# Altium PCB ALCT_MEZ_SPARTAN6T.PcbDoc (part 9 of 12) (continued)
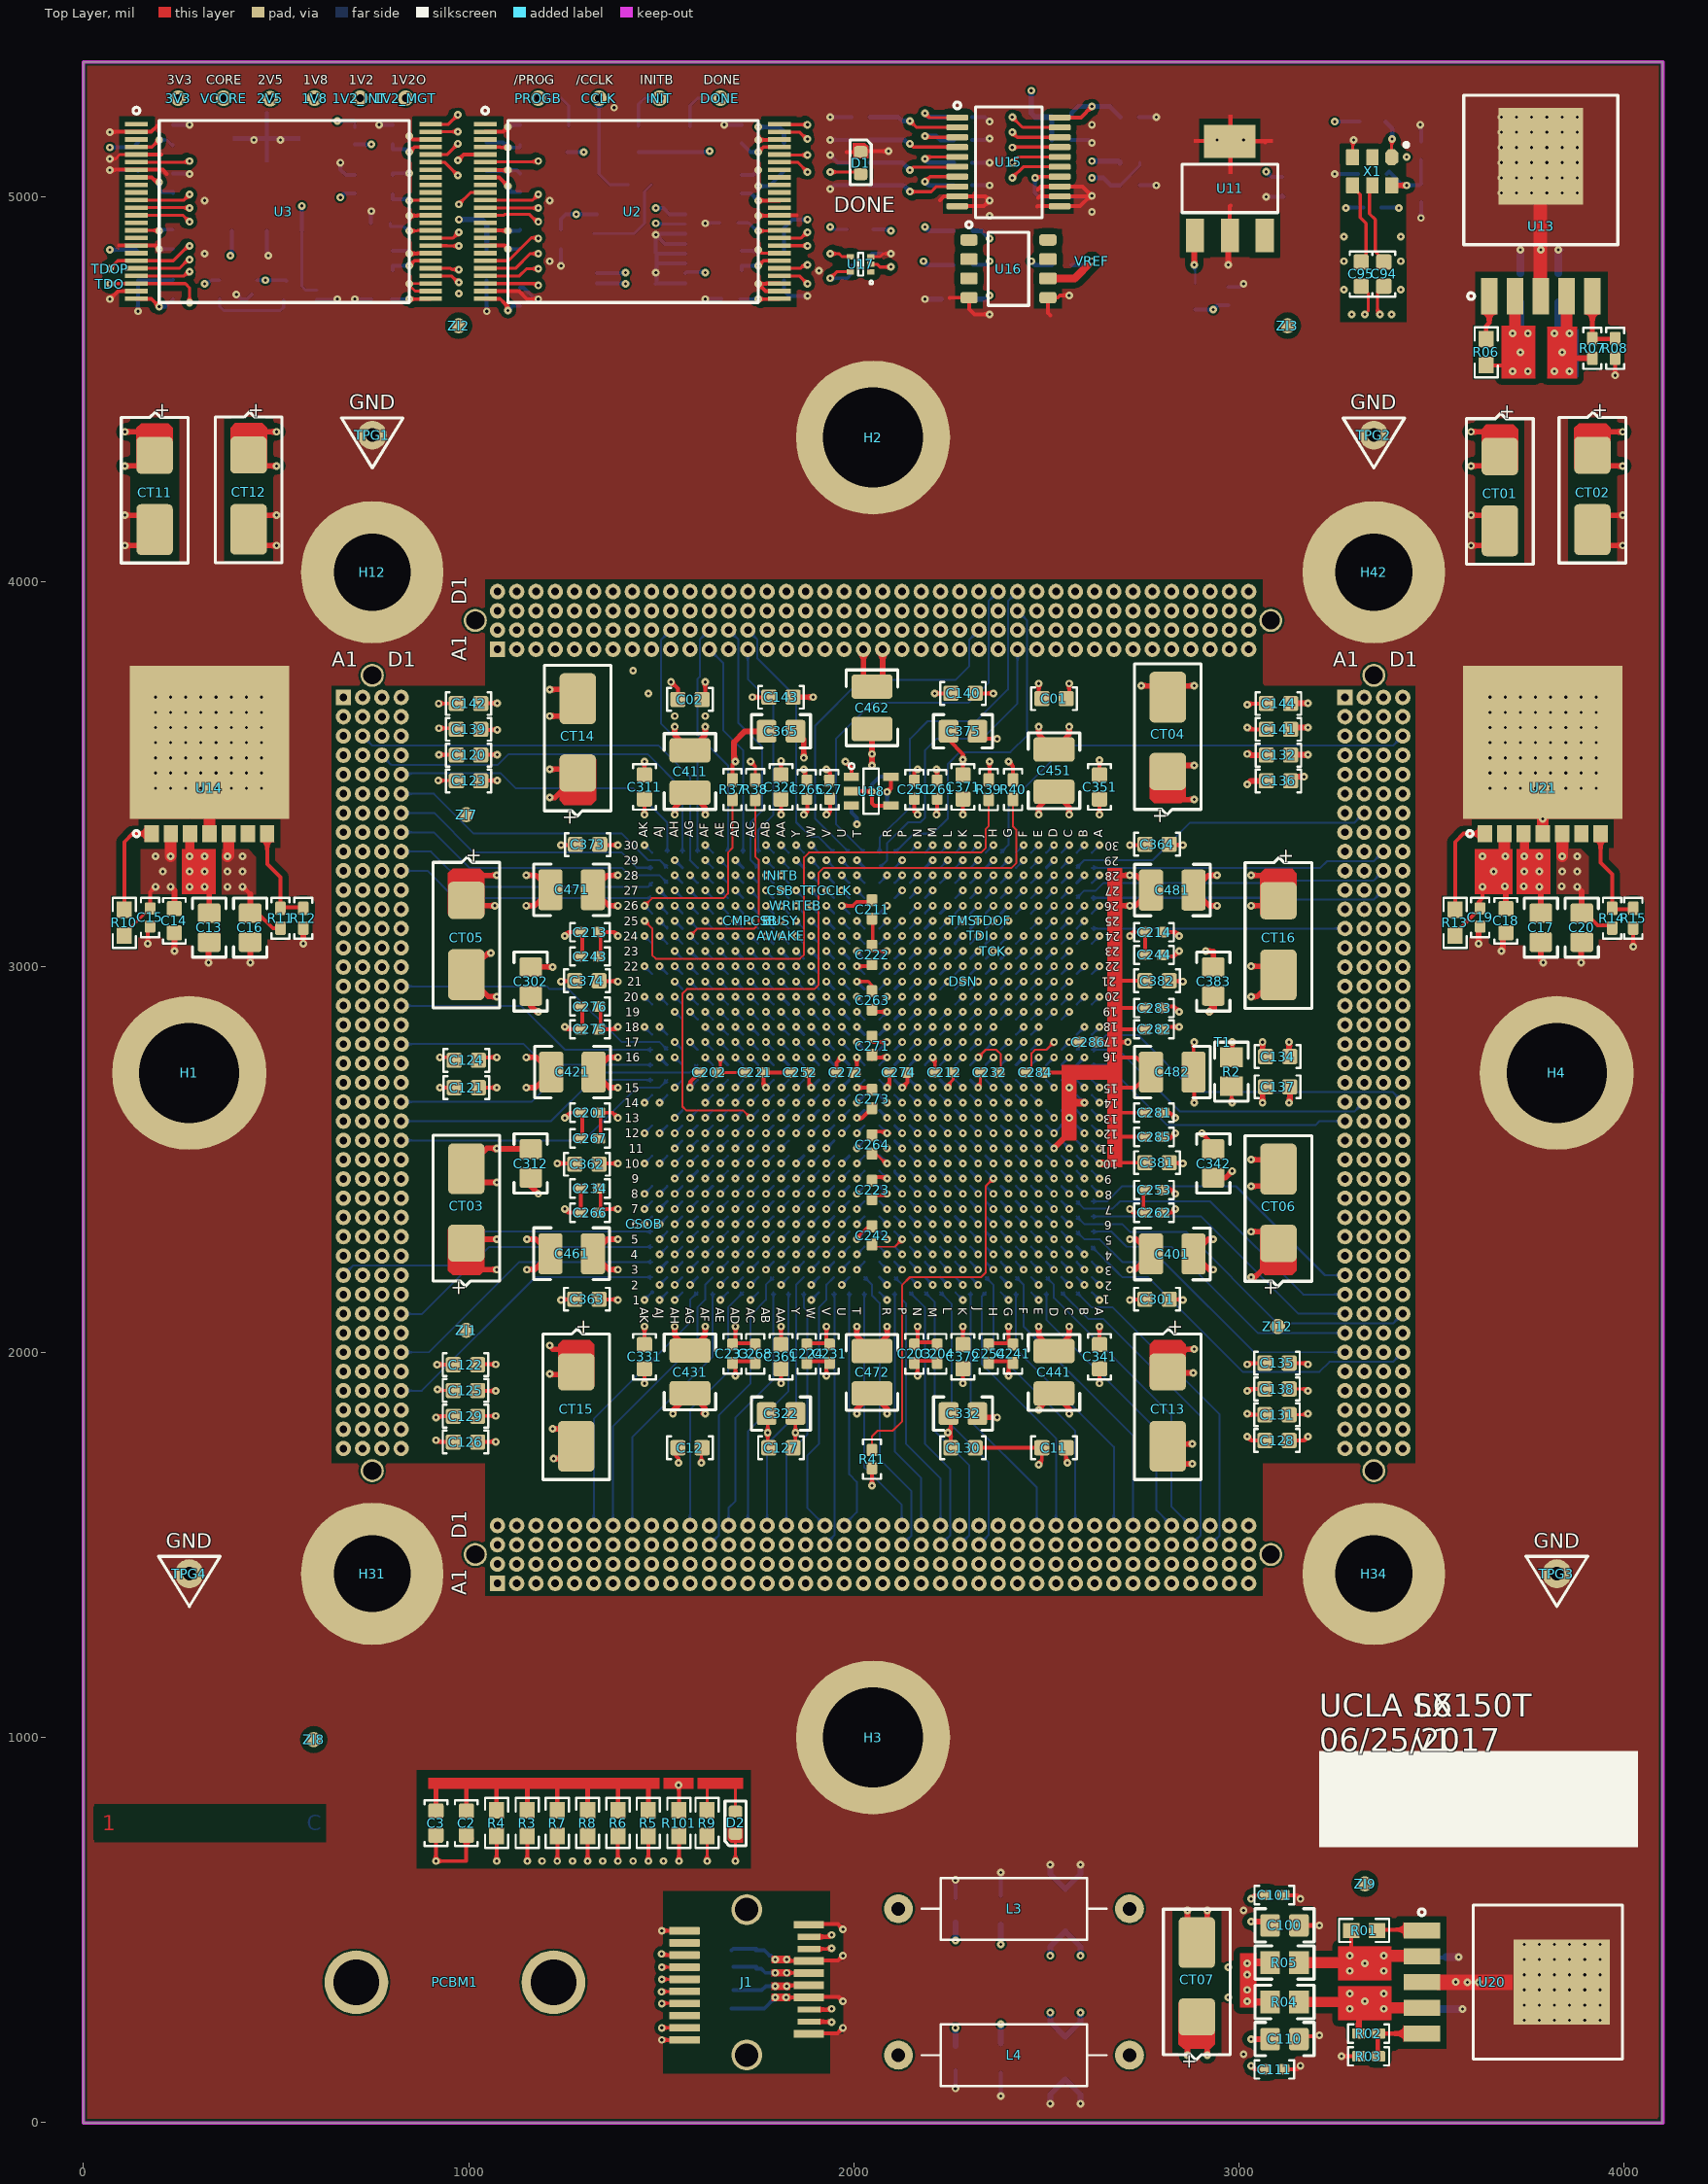
[diagram p0: Top Layer view]
## Nets (pads, with @x,y where several pads share a name; then routed paths per layer and width w, separated by ;. In a path a pad name is that pad's centre, name@x,y a point inside that pad or via, vN(x,y) a via of type N, cw(c..) or ccw(c..) an arc to the next point about the centre after c; other vN are vias at no path point) (continued)
  Bottom Layer w6: U1.J4@2303.16,2273.61 v1(2322.84,2253.93)
XP3C_33: U1.G1 XP3.C33 | length 964.1
  Mid-Layer 4 w5: v1(2401.57,2135.83) 2450.79,2086.61 2450.79,2068.88 2699.5,1820.17 2699.5,1524.5 XP3.C33@2675,1500 ; 2689.51,1514.51 ccw(c2704.02,1500) 2683.5,1500 cw(c2704.02,1500) 2689.51,1514.51 ; 2689.51,1514.51 cw(c2675,1529.02) 2675,1508.5 ccw(c2675,1529.02) 2689.51,1514.51 ; XP3.C33@2675,1513.5 ccw(c2675,1546.09) 2698.04,1523.04 ccw(c2721.09,1500) 2688.5,1500 cw(c2721.09,1500) 2698.05,1523.05 cw(c2675,1546.09) XP3.C33@2675,1513.5
  Bottom Layer w5: U1.G1@2381.89,2155.51 v1(2401.57,2135.83)
XP3C_34: U1.H4 XP3.C34 | length 1090.4
  Mid-Layer 1 w5: v1(2362.21,2253.93) 2381.84,2234.3 2381.84,1921.29 2699.5,1603.63 2699.5,1522.94 ; 2712.3,1510.14 cw(c2702.15,1500) 2716.5,1500 ccw(c2702.17,1500) 2712.3,1510.14 ; XP3.C34@2725,1498.82 2723.62,1498.82 2699.5,1522.94 ; 2699.5,1522.94 ccw(c2722.47,1545.91) 2724.26,1513.47 cw(c2722.45,1545.89) 2699.5,1522.94 ; 2703.76,1518.68 cw(c2685.08,1500) 2711.5,1500 ccw(c2685.1,1500) 2703.77,1518.67 ; 2707.41,1515.03 ccw(c2723.3,1530.91) 2724.53,1508.48 cw(c2723.28,1530.91) 2707.41,1515.03
  Bottom Layer w6: U1.H4@2342.53,2273.61 v1(2362.21,2253.93)
XP3C_35: U1.G3 XP3.C35 | length 1064.8
  Mid-Layer 1 w5: v1(2401.58,2214.56) 2401.58,2213.44 2421.08,2193.94 2421.08,1950.95 2749.5,1622.53 2749.5,1525.5 XP3.C35@2775,1500 ; XP3.C35@2775,1498.82 XP3.C35@2775.59,1499.41 ; 2760.49,1514.51 ccw(c2775,1529.02) 2775,1508.5 cw(c2775,1529.02) 2760.49,1514.51 ; 2760.49,1514.51 cw(c2745.98,1500) 2766.5,1500 ccw(c2745.98,1500) 2760.49,1514.51 ; 2751.96,1523.04 ccw(c2775,1546.09) 2775,1513.5 cw(c2775,1546.09) 2751.95,1523.05 cw(c2728.91,1500) 2761.5,1500 ccw(c2728.91,1500) 2751.96,1523.04
  Bottom Layer w6: U1.G3@2381.89,2234.25 v1(2401.58,2214.56)
XP3C_36: U1.E1 XP3.C36 | length 1017.3
  Mid-Layer 4 w5: v1(2480.32,2135.83) 2519.68,2135.83 2850,1805.51 2850,1525 XP3.C36@2825,1500 ; 2839.51,1514.51 ccw(c2854.02,1500) 2833.5,1500 cw(c2854.02,1500) 2839.51,1514.51 ; 2839.51,1514.51 cw(c2825,1529.02) 2825,1508.5 ccw(c2825,1529.02) 2839.51,1514.51 ; XP3.C36@2825,1513.5 ccw(c2825,1546.09) 2848.04,1523.04 ccw(c2871.09,1500) 2838.5,1500 cw(c2871.09,1500) 2848.05,1523.05 cw(c2825,1546.09) XP3.C36@2825,1513.5
  Bottom Layer w5: U1.E1@2460.82,2155.33 U1.E1@2460.63,2155.51 v1(2480.32,2135.83)
XP3C_37: U1.C1 XP3.C37 | length 1030.9
  Bottom Layer w5: U1.C1@2539.37,2149.15 cw(c2539.37,2133.8) 2550.22,2144.66 cw(c2561.08,2155.51) U1.C1@2545.73,2155.51 ; U1.C1@2539.37,2155.51 2608.27,2086.61 2647.64,2086.61 2900,1834.25 2900,1523.82 ; XP3.C37@2875.59,1499.41 2875,1498.82 2900,1523.82 ; 2888.67,1512.49 ccw(c2901.16,1500) 2883.5,1500 cw(c2901.18,1500) 2888.68,1512.5 ; 2900,1523.82 cw(c2875.08,1548.74) 2875.02,1513.5 ccw(c2875.1,1548.72) 2900,1523.82 ; XP3.C37@2875.01,1508.5 ccw(c2875.05,1531.73) 2891.48,1515.3 cw(c2875.06,1531.73) XP3.C37@2875.02,1508.5 ; XP3.C37@2888.5,1500 cw(c2918.25,1500) 2897.21,1521.03 ccw(c2918.23,1500) XP3.C37@2888.5,1500
XP3C_38: U1.B1 XP3.C38 | length 1044
  Bottom Layer w5: U1.B1@2578.74,2149.15 cw(c2578.74,2133.8) 2589.59,2144.66 cw(c2600.45,2155.51) U1.B1@2585.1,2155.51 ; U1.B1@2578.74,2155.51 2617.93,2116.33 2672.06,2116.33 2950,1838.39 2950,1523.82 ; XP3.C38@2925.59,1499.41 2925,1498.82 2950,1523.82 ; 2938.67,1512.49 ccw(c2951.16,1500) 2933.5,1500 cw(c2951.18,1500) 2938.68,1512.5 ; 2950,1523.82 cw(c2925.08,1548.74) 2925.02,1513.5 ccw(c2925.1,1548.72) 2950,1523.82 ; XP3.C38@2925.01,1508.5 ccw(c2925.05,1531.73) 2941.48,1515.3 cw(c2925.06,1531.73) XP3.C38@2925.02,1508.5 ; XP3.C38@2938.5,1500 cw(c2968.25,1500) 2947.21,1521.03 ccw(c2968.23,1500) XP3.C38@2938.5,1500
XP3D_3: U1.AE6 XP3.D3 | length 1191.7
  Mid-Layer 2 w5: XP3.D3@1165.45,1559.54 ccw(c1142.41,1582.59) 1175,1582.59 ccw(c1207.59,1582.59) XP3.D3@1184.55,1559.54 ; XP3.D3@1165.45,1559.55 ccw(c1142.41,1582.6) 1175,1582.6 ccw(c1207.59,1582.6) XP3.D3@1184.55,1559.55 ; XP3.D3@1175,1550 1175,1704.49 1250,1779.49 1250,1809.07 1594.49,2153.56 1594.49,2301.18 1606.1,2312.79 1633.68,2312.79 v1(1653.56,2332.68) ; 1175,1570.52 ccw(c1195.52,1570.52) 1181.01,1556.01 cw(c1195.52,1570.52) 1175,1570.52 ; 1175,1570.52 cw(c1154.48,1570.52) 1168.99,1556.01 ccw(c1154.48,1570.52) 1175,1570.52
  Bottom Layer w6: v1(1653.56,2332.68) U1.AE6@1673.23,2352.36
XP3D_4: U1.AG3 XP3.D4 | length 1083.6
  Mid-Layer 4 w5: XP3.D4@1225,1550 1199,1576 1199,1831.39 1414.86,2047.24 1486.22,2047.24 1594.31,2155.34 1594.31,2195.06 v1(1574.81,2214.56) ; 1210.49,1564.51 ccw(c1225,1579.02) 1225,1558.5 cw(c1225,1579.02) 1210.49,1564.51 ; 1210.49,1564.51 cw(c1195.98,1550) 1216.5,1550 ccw(c1195.98,1550) 1210.49,1564.51 ; 1201.96,1573.04 ccw(c1225,1596.09) 1225,1563.5 cw(c1225,1596.09) 1201.95,1573.05 cw(c1178.91,1550) 1211.5,1550 ccw(c1178.91,1550) 1201.96,1573.04
  Bottom Layer w6: v1(1574.81,2214.56) U1.AG3@1594.49,2234.25
XP3D_5: U1.AD4 XP3.D5 | length 1070.6
  Mid-Layer 4 w5: XP3.D5@1275,1550 1318.9,1593.9 1318.9,1722.71 1673.06,2076.87 1673.06,2236.47 v1@1690.43,2253.84 ; 1289.51,1564.51 ccw(c1304.02,1550) 1283.5,1550 cw(c1304.02,1550) 1289.51,1564.51 ; 1289.51,1564.51 cw(c1275,1579.02) 1275,1558.5 ccw(c1275,1579.02) 1289.51,1564.51 ; XP3.D5@1275,1563.5 ccw(c1275,1596.09) 1298.04,1573.04 ccw(c1321.09,1550) 1288.5,1550 cw(c1321.09,1550) 1298.05,1573.05 cw(c1275,1596.09) XP3.D5@1275,1563.5
  Bottom Layer w6: v1(1692.93,2253.93) U1.AD4@1712.61,2273.61
XP3D_6: U1.AG1 XP3.D6 | length 909.3
  Bottom Layer w5: XP3.D6@1315.45,1559.54 ccw(c1292.41,1582.59) 1325,1582.59 ccw(c1357.59,1582.59) XP3.D6@1334.55,1559.54 ; XP3.D6@1315.45,1559.55 ccw(c1292.41,1582.6) 1325,1582.6 ccw(c1357.59,1582.6) XP3.D6@1334.55,1559.55 ; XP3.D6@1325,1548.82 XP3.D6@1325,1550 1325,1826.97 1574.8,2076.77 1574.8,2135.83 U1.AG1@1594.49,2155.51 ; U1.AG1@1588.13,2155.51 cw(c1572.78,2155.51) 1583.63,2144.66 cw(c1594.49,2133.8) U1.AG1@1594.49,2149.15 ; 1325,1570.52 ccw(c1345.52,1570.52) 1331.01,1556.01 cw(c1345.52,1570.52) 1325,1570.52 ; 1325,1570.52 cw(c1304.48,1570.52) 1318.99,1556.01 ccw(c1304.48,1570.52) 1325,1570.52
XP3D_7: U1.AF2 XP3.D7 | length 920.1
  Bottom Layer w5: XP3.D7@1365.45,1559.54 ccw(c1342.41,1582.59) 1375,1582.59 ccw(c1407.59,1582.59) XP3.D7@1384.55,1559.54 ; XP3.D7@1365.45,1559.55 ccw(c1342.41,1582.6) 1375,1582.6 ccw(c1407.59,1582.6) XP3.D7@1384.55,1559.55 ; XP3.D7@1375,1548.82 XP3.D7@1375,1550 1375,1808.07 1594.49,2027.56 1594.49,2116.83 1613.49,2135.83 1614.5,2136.84 1614.5,2175.52 U1.AF2@1633.86,2194.88 ; 1375,1570.52 ccw(c1395.52,1570.52) 1381.01,1556.01 cw(c1395.52,1570.52) 1375,1570.52 ; 1375,1570.52 cw(c1354.48,1570.52) 1368.99,1556.01 ccw(c1354.48,1570.52) 1375,1570.52
XP3D_8: U1.AF1 XP3.D8 | length 884.2
  Bottom Layer w5: XP3.D8@1415.45,1559.54 ccw(c1392.41,1582.59) 1425,1582.59 ccw(c1457.59,1582.59) XP3.D8@1434.55,1559.54 ; XP3.D8@1415.45,1559.55 ccw(c1392.41,1582.6) 1425,1582.6 ccw(c1457.59,1582.6) XP3.D8@1434.55,1559.55 ; XP3.D8@1425,1548.82 XP3.D8@1425,1550 1425,1779.33 1633.86,1988.19 U1.AF1@1633.86,2155.51 ; U1.AF1@1629.36,2151.02 cw(c1618.51,2140.16) 1633.86,2140.16 cw(c1649.21,2140.16) U1.AF1@1638.35,2151.02 ; 1425,1570.52 ccw(c1445.52,1570.52) 1431.01,1556.01 cw(c1445.52,1570.52) 1425,1570.52 ; 1425,1570.52 cw(c1404.48,1570.52) 1418.99,1556.01 ccw(c1404.48,1570.52) 1425,1570.52
XP3D_9: U1.W12 XP3.D9 | length 1486.9
  Mid-Layer 7 w5: XP3.D9@1465.45,1559.54 ccw(c1442.41,1582.59) 1475,1582.59 ccw(c1507.59,1582.59) XP3.D9@1484.55,1559.54 ; XP3.D9@1465.45,1559.55 ccw(c1442.41,1582.6) 1475,1582.6 ccw(c1507.59,1582.6) XP3.D9@1484.55,1559.55 ; XP3.D9@1475,1550 1475,1673.8 1752.16,1950.96 1752.16,2576.97 1763.58,2588.39 1870.28,2588.39 v1(1889.78,2568.89) ; 1475,1570.52 ccw(c1495.52,1570.52) 1481.01,1556.01 cw(c1495.52,1570.52) 1475,1570.52 ; 1475,1570.52 cw(c1454.48,1570.52) 1468.99,1556.01 ccw(c1454.48,1570.52) 1475,1570.52
  Bottom Layer w6: v1(1889.78,2568.89) U1.W12@1909.45,2588.58
XP3D_10: U1.M15 XP3.D10 | length 1866.3
  Mid-Layer 7 w5: XP3.D10@1515.45,1559.54 ccw(c1492.41,1582.59) 1525,1582.59 ccw(c1557.59,1582.59) XP3.D10@1534.55,1559.54 ; XP3.D10@1515.45,1559.55 ccw(c1492.41,1582.6) 1525,1582.6 ccw(c1557.59,1582.6) XP3.D10@1534.55,1559.55 ; XP3.D10@1525,1550 1525,1660.84 1525.59,1661.44 ; 1527.54,1663.39 1525.59,1661.44 ; v1(2204.73,2686.99) 2185.23,2706.49 1919.09,2706.49 1909.64,2697.04 1909.64,2561.18 1897.49,2549.03 1802.95,2549.03 1791.53,2537.6 1791.53,2075.01 1791.52,2058.85 1791.53,1927.37 1525.59,1661.44 ; 1525,1570.52 cw(c1504.48,1570.52) 1518.99,1556.01 ccw(c1504.48,1570.52) 1525,1570.52 ; 1525,1570.52 ccw(c1545.52,1570.52) 1531.01,1556.01 cw(c1545.52,1570.52) 1525,1570.52
  Bottom Layer w6: U1.M15@2185.04,2706.69 v1(2204.73,2686.99)
XP3D_11: U1.AD1 XP3.D11 | length 854.7
  Bottom Layer w5: XP3.D11@1565.45,1559.54 ccw(c1542.41,1582.59) 1575,1582.59 ccw(c1607.59,1582.59) XP3.D11@1584.55,1559.54 ; XP3.D11@1565.45,1559.55 ccw(c1542.41,1582.6) 1575,1582.6 ccw(c1607.59,1582.6) XP3.D11@1584.55,1559.55 ; XP3.D11@1575,1548.82 XP3.D11@1575,1550 1575,1850.59 1673.23,1948.82 1673.23,2116.14 U1.AD1@1712.6,2155.51 ; U1.AD1@1706.24,2155.51 cw(c1690.89,2155.51) 1701.74,2144.66 cw(c1712.6,2133.8) U1.AD1@1712.6,2149.15 ; 1575,1570.52 ccw(c1595.52,1570.52) 1581.01,1556.01 cw(c1595.52,1570.52) 1575,1570.52 ; 1575,1570.52 cw(c1554.48,1570.52) 1568.99,1556.01 ccw(c1554.48,1570.52) 1575,1570.52
XP3D_12: U1.Y3 XP3.D12 | length 952.6
  Mid-Layer 4 w5: XP3.D12@1625,1550 1661.44,1586.44 1661.44,1742.13 1830.71,1911.4 1830.71,2116.14 1850.39,2135.83 v1(1850.39,2214.57) ; 1639.51,1564.51 ccw(c1654.02,1550) 1633.5,1550 cw(c1654.02,1550) 1639.51,1564.51 ; 1639.51,1564.51 cw(c1625,1579.02) 1625,1558.5 ccw(c1625,1579.02) 1639.51,1564.51 ; XP3.D12@1625,1563.5 ccw(c1625,1596.09) 1648.04,1573.04 ccw(c1671.09,1550) 1638.5,1550 cw(c1671.09,1550) 1648.05,1573.05 cw(c1625,1596.09) XP3.D12@1625,1563.5
  Bottom Layer w6: v1(1850.39,2214.57) U1.Y3@1870.08,2234.25
XP3D_13: U1.AB1 XP3.D13 | length 845.5
  Bottom Layer w5: XP3.D13@1665.45,1559.54 ccw(c1642.41,1582.59) 1675,1582.59 ccw(c1707.59,1582.59) XP3.D13@1684.55,1559.54 ; XP3.D13@1665.45,1559.55 ccw(c1642.41,1582.6) 1675,1582.6 ccw(c1707.59,1582.6) XP3.D13@1684.55,1559.55 ; XP3.D13@1675,1548.82 XP3.D13@1675.59,1549.41 ; XP3.D13@1675,1550 1675,1596.26 1692.91,1614.17 1692.91,1830.71 1791.34,1929.13 U1.AB1@1791.34,2155.51 ; U1.AB1@1786.84,2151.02 cw(c1775.99,2140.16) 1791.34,2140.16 cw(c1806.69,2140.16) U1.AB1@1795.83,2151.02 ; 1675,1570.52 ccw(c1695.52,1570.52) 1681.01,1556.01 cw(c1695.52,1570.52) 1675,1570.52 ; 1675,1570.52 cw(c1654.48,1570.52) 1668.99,1556.01 ccw(c1654.48,1570.52) 1675,1570.52
XP3D_14: U1.AA1 XP3.D14 | length 840.3
  Bottom Layer w5: XP3.D14@1715.45,1559.54 ccw(c1692.41,1582.59) 1725,1582.59 ccw(c1757.59,1582.59) XP3.D14@1734.55,1559.54 ; XP3.D14@1715.45,1559.55 ccw(c1692.41,1582.6) 1725,1582.6 ccw(c1757.59,1582.6) XP3.D14@1734.55,1559.55 ; XP3.D14@1725,1550 1725,1793.9 1830.71,1899.61 U1.AA1@1830.71,2155.51 ; U1.AA1@1826.21,2151.02 cw(c1815.36,2140.16) 1830.71,2140.16 cw(c1846.06,2140.16) U1.AA1@1835.2,2151.02 ; 1725,1570.52 ccw(c1745.52,1570.52) 1731.01,1556.01 cw(c1745.52,1570.52) 1725,1570.52 ; 1725,1570.52 cw(c1704.48,1570.52) 1718.99,1556.01 ccw(c1704.48,1570.52) 1725,1570.52
XP3D_15: U1.Y2 XP3.D15 | length 852.3
  Bottom Layer w5: XP3.D15@1765.45,1559.54 ccw(c1742.41,1582.59) 1775,1582.59 ccw(c1807.59,1582.59) XP3.D15@1784.55,1559.54 ; XP3.D15@1765.45,1559.55 ccw(c1742.41,1582.6) 1775,1582.6 ccw(c1807.59,1582.6) XP3.D15@1784.55,1559.55 ; XP3.D15@1775,1548.82 XP3.D15@1775,1550 1775,1762.19 1850.39,1837.58 1850.39,2175.19 ; 1775,1570.52 ccw(c1795.52,1570.52) 1781.01,1556.01 cw(c1795.52,1570.52) 1775,1570.52 ; 1775,1570.52 cw(c1754.48,1570.52) 1768.99,1556.01 ccw(c1754.48,1570.52) 1775,1570.52
  Bottom Layer w6: 1850.39,2175.19 U1.Y2@1870.08,2194.88
XP3D_16: U1.Y1 XP3.D16 | length 824.1
  Bottom Layer w5: XP3.D16@1815.45,1559.54 ccw(c1792.41,1582.59) 1825,1582.59 ccw(c1857.59,1582.59) XP3.D16@1834.55,1559.54 ; XP3.D16@1815.45,1559.55 ccw(c1792.41,1582.6) 1825,1582.6 ccw(c1857.59,1582.6) XP3.D16@1834.55,1559.55 ; XP3.D16@1825,1548.82 XP3.D16@1825.59,1549.41 ; XP3.D16@1825,1550 1825,1731.5 1879.92,1786.42 1879.92,2106.3 1870.08,2116.14 U1.Y1@1870.08,2155.51 ; U1.Y1@1865.58,2151.02 cw(c1854.73,2140.16) 1870.08,2140.16 cw(c1885.43,2140.16) U1.Y1@1874.57,2151.02 ; 1825,1570.52 ccw(c1845.52,1570.52) 1831.01,1556.01 cw(c1845.52,1570.52) 1825,1570.52 ; 1825,1570.52 cw(c1804.48,1570.52) 1818.99,1556.01 ccw(c1804.48,1570.52) 1825,1570.52
XP3D_17: U1.T4 XP3.D17 | length 978.1
  Mid-Layer 1 w5: XP3.D17@1865.45,1559.54 ccw(c1842.41,1582.59) 1875,1582.59 ccw(c1907.59,1582.59) XP3.D17@1884.55,1559.54 ; XP3.D17@1865.45,1559.55 ccw(c1842.41,1582.6) 1875,1582.6 ccw(c1907.59,1582.6) XP3.D17@1884.55,1559.55 ; XP3.D17@1875,1550 1875,1599.41 2037.4,1761.81 2037.4,2224.41 v1(2007.88,2253.93) ; 1875,1570.52 ccw(c1895.52,1570.52) 1881.01,1556.01 cw(c1895.52,1570.52) 1875,1570.52 ; 1875,1570.52 cw(c1854.48,1570.52) 1868.99,1556.01 ccw(c1854.48,1570.52) 1875,1570.52
  Bottom Layer w6: v1(2007.88,2253.93) U1.T4@2027.56,2273.61
XP3D_18: U1.V2 XP3.D18 | length 860.1
  Bottom Layer w5: XP3.D18@1925,1548.82 XP3.D18@1925,1550 1879.92,1595.08 1879.92,1732.1 1909.63,1761.81 1909.63,2116.33 1929.15,2135.84 1929.15,2175.2 ; 1910.49,1564.51 ccw(c1925,1579.02) 1925,1558.5 cw(c1925,1579.02) 1910.49,1564.51 ; 1910.49,1564.51 cw(c1895.98,1550) 1916.5,1550 ccw(c1895.98,1550) 1910.49,1564.51 ; 1901.96,1573.04 ccw(c1925,1596.09) 1925,1563.5 cw(c1925,1596.1) 1901.95,1573.05 cw(c1878.91,1550) 1911.5,1550 ccw(c1878.91,1550) 1901.96,1573.04
  Bottom Layer w6: 1929.15,2175.2 U1.V2@1948.82,2194.88
XP3D_19: U1.U1 XP3.D19 | length 702.6
  Bottom Layer w5: XP3.D19@1973.69,1563.95 ccw(c1973.68,1596.54) 1996.73,1573.5 ccw(c2019.78,1550.45) XP3.D19@1987.19,1550.45 ; XP3.D19@1975,1550 1975,1551.77 2007.87,1584.65 2007.87,1663.39 1988.19,1683.07 U1.U1@1988.19,2155.51 ; U1.U1@1983.69,2151.02 cw(c1972.84,2140.16) 1988.19,2140.16 cw(c2003.54,2140.16) U1.U1@1992.68,2151.02
XP3D_22: U1.T1 XP3.D22 | length 838
  Bottom Layer w5: U1.T1@2023.06,2151.02 cw(c2012.21,2140.16) 2027.56,2140.16 cw(c2042.91,2140.16) U1.T1@2032.06,2151.02 ; U1.T1@2027.56,2155.51 2027.56,1700.81 2124.41,1603.96 2124.41,1549.41 XP3.D22@2125,1548.82 ; XP3.D22@2115.45,1559.54 ccw(c2093.83,1581.16) 2124.41,1581.16 cw(c2093.83,1581.17) XP3.D22@2115.45,1559.55 ; 2124.41,1569.09 cw(c2105.91,1569.09) 2118.99,1556.01 ccw(c2105.91,1569.1) 2124.41,1569.1 ; 2124.41,1571.94 ccw(c2146.95,1571.94) 2131.01,1556.01 cw(c2146.95,1571.95) 2124.41,1571.95 ; XP3.D22@2134.55,1559.54 cw(c2159.02,1584.01) 2124.41,1584.01 ccw(c2159.02,1584.02) XP3.D22@2134.55,1559.55
XP3D_23: U1.P1 XP3.D23 | length 826.1
  Bottom Layer w5: U1.P1@2101.8,2151.02 cw(c2090.95,2140.16) 2106.3,2140.16 cw(c2121.65,2140.16) U1.P1@2110.8,2151.02 ; U1.P1@2106.3,2155.51 2106.3,1742.13 2175,1673.43 XP3.D23@2175,1550 XP3.D23@2175,1548.82 ; XP3.D23@2165.45,1559.54 ccw(c2142.41,1582.59) 2175,1582.59 ccw(c2207.59,1582.59) XP3.D23@2184.55,1559.54 ; XP3.D23@2165.45,1559.55 ccw(c2142.41,1582.6) 2175,1582.6 ccw(c2207.59,1582.6) XP3.D23@2184.55,1559.55 ; 2175,1570.52 ccw(c2195.52,1570.52) 2181.01,1556.01 cw(c2195.52,1570.52) 2175,1570.52 ; 2175,1570.52 cw(c2154.48,1570.52) 2168.99,1556.01 ccw(c2154.48,1570.52) 2175,1570.52
XP3D_24: U1.P2 XP3.D24 | length 886.2
  Bottom Layer w5: U1.P2@2106.3,2188.52 cw(c2106.3,2173.17) 2117.15,2184.03 cw(c2128.01,2194.88) U1.P2@2112.66,2194.88 ; U1.P2@2106.3,2194.88 2125.98,2175.2 2125.98,2135.83 2135.83,2125.98 2135.83,1761.81 2225,1672.64 XP3.D24@2225,1550 XP3.D24@2225,1548.82 ; XP3.D24@2215.45,1559.54 ccw(c2192.41,1582.59) 2225,1582.59 ccw(c2257.59,1582.59) XP3.D24@2234.55,1559.54 ; XP3.D24@2215.45,1559.55 ccw(c2192.41,1582.6) 2225,1582.6 ccw(c2257.59,1582.6) XP3.D24@2234.55,1559.55 ; 2225,1570.52 ccw(c2245.52,1570.52) 2231.01,1556.01 cw(c2245.52,1570.52) 2225,1570.52 ; 2225,1570.52 cw(c2204.48,1570.52) 2218.99,1556.01 ccw(c2204.48,1570.52) 2225,1570.52
XP3D_25: U1.M6 XP3.D25 | length 1022.8
  Mid-Layer 5 w5: v1(2204.73,2332.68) 2185.04,2312.99 2185.04,1803.64 2275,1713.68 XP3.D25@2275,1550 ; XP3.D25@2265.45,1559.54 ccw(c2242.41,1582.59) 2275,1582.59 ccw(c2307.59,1582.59) XP3.D25@2284.55,1559.54 ; XP3.D25@2265.45,1559.55 ccw(c2242.41,1582.6) 2275,1582.6 ccw(c2307.59,1582.6) XP3.D25@2284.55,1559.55 ; 2275,1570.52 ccw(c2295.52,1570.52) 2281.01,1556.01 cw(c2295.52,1570.52) 2275,1570.52 ; 2275,1570.52 cw(c2254.48,1570.52) 2268.99,1556.01 ccw(c2254.48,1570.52) 2275,1570.52
  Bottom Layer w6: U1.M6@2185.04,2352.36 v1(2204.73,2332.68)
XP3D_26: U1.L7 XP3.D26 | length 1067.7
  Mid-Layer 4 w5: v1(2244.09,2372.04) 2224.59,2352.54 2224.59,2155.7 2224.41,2155.51 2224.41,1860.24 2325,1759.65 XP3.D26@2325,1550 XP3.D26@2325,1548.82 ; XP3.D26@2315.45,1559.54 ccw(c2292.41,1582.59) 2325,1582.59 ccw(c2357.59,1582.59) XP3.D26@2334.55,1559.54 ; XP3.D26@2315.45,1559.55 ccw(c2292.41,1582.6) 2325,1582.6 ccw(c2357.59,1582.6) XP3.D26@2334.55,1559.55 ; 2325,1570.52 ccw(c2345.52,1570.52) 2331.01,1556.01 cw(c2345.52,1570.52) 2325,1570.52 ; 2325,1570.52 cw(c2304.48,1570.52) 2318.99,1556.01 ccw(c2304.48,1570.52) 2325,1570.52
  Bottom Layer w6: U1.L7@2224.41,2391.73 v1(2244.09,2372.04)
XP3D_27: U1.L3 XP3.D27 | length 913.5
  Mid-Layer 4 w5: v1(2244.09,2214.56) 2263.78,2194.88 2263.78,1889.76 2375,1778.54 XP3.D27@2375,1550 ; XP3.D27@2365.45,1559.54 ccw(c2342.41,1582.59) 2375,1582.59 ccw(c2407.59,1582.59) XP3.D27@2384.55,1559.54 ; XP3.D27@2365.45,1559.55 ccw(c2342.41,1582.6) 2375,1582.6 ccw(c2407.59,1582.6) XP3.D27@2384.55,1559.55 ; 2375,1570.52 ccw(c2395.52,1570.52) 2381.01,1556.01 cw(c2395.52,1570.52) 2375,1570.52 ; 2375,1570.52 cw(c2354.48,1570.52) 2368.99,1556.01 ccw(c2354.48,1570.52) 2375,1570.52
  Bottom Layer w6: U1.L3@2224.41,2234.25 v1(2244.09,2214.56)
XP3D_28: U1.M4 XP3.D28 | length 989.9
  Mid-Layer 7 w5: v1(2204.73,2253.93) 2224.41,2234.25 2224.41,1870.08 2425,1669.49 XP3.D28@2425,1550 ; XP3.D28@2415.45,1559.54 ccw(c2392.41,1582.59) 2425,1582.59 ccw(c2457.59,1582.59) XP3.D28@2434.55,1559.54 ; XP3.D28@2415.45,1559.55 ccw(c2392.41,1582.6) 2425,1582.6 ccw(c2457.59,1582.6) XP3.D28@2434.55,1559.55 ; 2425,1570.52 ccw(c2445.52,1570.52) 2431.01,1556.01 cw(c2445.52,1570.52) 2425,1570.52 ; 2425,1570.52 cw(c2404.48,1570.52) 2418.99,1556.01 ccw(c2404.48,1570.52) 2425,1570.52
  Bottom Layer w6: U1.M4@2185.04,2273.61 v1(2204.73,2253.93)
XP3D_29: U1.J1 XP3.D29 | length 868.8
  Bottom Layer w5: U1.J1@2298.65,2151.02 cw(c2287.8,2140.16) 2303.15,2140.16 cw(c2318.5,2140.16) U1.J1@2307.65,2151.02 ; U1.J1@2303.15,2155.51 2303.15,1820.87 2475,1649.02 XP3.D29@2475,1550 XP3.D29@2475,1548.82 ; XP3.D29@2465.45,1559.54 ccw(c2442.41,1582.59) 2475,1582.59 ccw(c2507.59,1582.59) XP3.D29@2484.55,1559.54 ; XP3.D29@2465.45,1559.55 ccw(c2442.41,1582.6) 2475,1582.6 ccw(c2507.59,1582.6) XP3.D29@2484.55,1559.55 ; 2475,1570.52 ccw(c2495.52,1570.52) 2481.01,1556.01 cw(c2495.52,1570.52) 2475,1570.52 ; 2475,1570.52 cw(c2454.48,1570.52) 2468.99,1556.01 ccw(c2454.48,1570.52) 2475,1570.52
XP3D_30: U1.H1 XP3.D30 | length 878
  Bottom Layer w5: U1.H1@2336.18,2155.06 cw(c2324.15,2154.19) 2332.68,2145.67 ; U1.H1@2342.06,2149.17 ccw(c2341.2,2137.15) 2332.68,2145.67 ; U1.H1@2342.52,2155.51 2332.68,2145.67 ; XP3.D30@2515.45,1559.54 ccw(c2492.41,1582.59) 2525,1582.59 ccw(c2557.59,1582.59) XP3.D30@2534.55,1559.54 ; XP3.D30@2515.45,1559.55 ccw(c2492.41,1582.6) 2525,1582.6 ccw(c2557.59,1582.6) XP3.D30@2534.55,1559.55 ; XP3.D30@2525,1548.82 XP3.D30@2525,1550 2525,1776.18 2332.68,1968.5 2332.68,2145.67 ; 2525,1570.52 ccw(c2545.52,1570.52) 2531.01,1556.01 cw(c2545.52,1570.52) 2525,1570.52 ; 2525,1570.52 cw(c2504.48,1570.52) 2518.99,1556.01 ccw(c2504.48,1570.52) 2525,1570.52
XP3D_31: U1.H2 XP3.D31 | length 933.3
  Bottom Layer w5: U1.H2@2342.52,2188.52 cw(c2342.52,2173.17) 2353.37,2184.03 cw(c2364.23,2194.88) U1.H2@2348.88,2194.88 ; U1.H2@2342.52,2194.88 2362.2,2175.2 2362.2,2007.87 2575,1795.08 XP3.D31@2575,1550 XP3.D31@2575,1548.82 ; XP3.D31@2565.45,1559.54 ccw(c2542.41,1582.59) 2575,1582.59 ccw(c2607.59,1582.59) XP3.D31@2584.55,1559.54 ; XP3.D31@2565.45,1559.55 ccw(c2542.41,1582.6) 2575,1582.6 ccw(c2607.59,1582.6) XP3.D31@2584.55,1559.55 ; 2575,1570.52 ccw(c2595.52,1570.52) 2581.01,1556.01 cw(c2595.52,1570.52) 2575,1570.52 ; 2575,1570.52 cw(c2554.48,1570.52) 2568.99,1556.01 ccw(c2554.48,1570.52) 2575,1570.52
XP3D_32: U1.H3 XP3.D32 | length 968.1
  Mid-Layer 4 w5: v1(2362.21,2214.56) 2381.2,2195.57 2381.2,2114.88 2421.07,2075.01 2421.07,2047.43 2625,1843.5 XP3.D32@2625,1550 ; XP3.D32@2615.45,1559.54 ccw(c2592.41,1582.59) 2625,1582.59 ccw(c2657.59,1582.59) XP3.D32@2634.55,1559.54 ; XP3.D32@2615.45,1559.55 ccw(c2592.41,1582.6) 2625,1582.6 ccw(c2657.59,1582.6) XP3.D32@2634.55,1559.55 ; 2625,1570.52 ccw(c2645.52,1570.52) 2631.01,1556.01 cw(c2645.52,1570.52) 2625,1570.52 ; 2625,1570.52 cw(c2604.48,1570.52) 2618.99,1556.01 ccw(c2604.48,1570.52) 2625,1570.52
  Bottom Layer w6: U1.H3@2342.52,2234.25 v1(2362.21,2214.56)
XP3D_33: U1.F1 XP3.D33 | length 902.8
  Bottom Layer w5: U1.F1@2416.76,2151.02 cw(c2405.91,2140.16) 2421.26,2140.16 cw(c2436.61,2140.16) U1.F1@2425.76,2151.02 ; U1.F1@2421.26,2155.51 2421.26,2007.87 2675,1754.13 XP3.D33@2675,1550 XP3.D33@2675,1548.82 ; XP3.D33@2665.45,1559.54 ccw(c2642.41,1582.59) 2675,1582.59 ccw(c2707.59,1582.59) XP3.D33@2684.55,1559.54 ; XP3.D33@2665.45,1559.55 ccw(c2642.41,1582.6) 2675,1582.6 ccw(c2707.59,1582.6) XP3.D33@2684.55,1559.55 ; 2675,1570.52 ccw(c2695.52,1570.52) 2681.01,1556.01 cw(c2695.52,1570.52) 2675,1570.52 ; 2675,1570.52 cw(c2654.48,1570.52) 2668.99,1556.01 ccw(c2654.48,1570.52) 2675,1570.52
XP3D_34: U1.F2 XP3.D34 | length 962.8
  Bottom Layer w5: U1.F2@2421.26,2188.52 cw(c2421.26,2173.17) 2432.11,2184.03 cw(c2442.97,2194.88) U1.F2@2427.62,2194.88 ; U1.F2@2421.26,2194.88 2440.94,2175.2 2440.94,2066.93 2725,1782.87 XP3.D34@2725,1550 XP3.D34@2725,1548.82 ; XP3.D34@2715.45,1559.54 ccw(c2692.41,1582.59) 2725,1582.59 ccw(c2757.59,1582.59) XP3.D34@2734.55,1559.54 ; XP3.D34@2715.45,1559.55 ccw(c2692.41,1582.6) 2725,1582.6 ccw(c2757.59,1582.6) XP3.D34@2734.55,1559.55 ; 2725,1570.52 ccw(c2745.52,1570.52) 2731.01,1556.01 cw(c2745.52,1570.52) 2725,1570.52 ; 2725,1570.52 cw(c2704.48,1570.52) 2718.99,1556.01 ccw(c2704.48,1570.52) 2725,1570.52
XP3D_35: U1.G4 XP3.D35 | length 1053.3
  Mid-Layer 4 w5: v1(2401.58,2253.93) 2421.44,2234.06 2421.44,2163.22 2775,1809.66 XP3.D35@2775,1550 ; XP3.D35@2765.45,1559.54 ccw(c2742.41,1582.59) 2775,1582.59 ccw(c2807.59,1582.59) XP3.D35@2784.55,1559.54 ; XP3.D35@2765.45,1559.55 ccw(c2742.41,1582.6) 2775,1582.6 ccw(c2807.59,1582.6) XP3.D35@2784.55,1559.55 ; 2775,1570.52 ccw(c2795.52,1570.52) 2781.01,1556.01 cw(c2795.52,1570.52) 2775,1570.52 ; 2775,1570.52 cw(c2754.48,1570.52) 2768.99,1556.01 ccw(c2754.48,1570.52) 2775,1570.52
  Bottom Layer w6: U1.G4@2381.89,2273.61 v1(2401.58,2253.93)
XP3D_36: U1.D1 XP3.D36 | length 931.1
  Bottom Layer w5: U1.D1@2495.5,2151.02 cw(c2484.65,2140.16) 2500,2140.16 cw(c2515.35,2140.16) U1.D1@2504.5,2151.02 ; U1.D1@2500,2155.51 2500,2084.66 2785.43,1799.23 2785.43,1589.57 XP3.D36@2825,1550 ; 2810.49,1564.51 ccw(c2825,1579.02) 2825,1558.5 cw(c2825,1579.02) 2810.49,1564.51 ; 2810.49,1564.51 cw(c2795.98,1550) 2816.5,1550 ccw(c2795.98,1550) 2810.49,1564.51 ; 2801.96,1573.04 ccw(c2825,1596.09) 2825,1563.5 cw(c2825,1596.1) 2801.95,1573.05 cw(c2778.91,1550) 2811.5,1550 ccw(c2778.91,1550) 2801.96,1573.04
XP3D_37: U1.D2 XP3.D37 | length 993.5
  Bottom Layer w5: U1.D2@2500,2188.52 cw(c2500,2173.17) 2510.85,2184.03 cw(c2521.71,2194.88) U1.D2@2506.36,2194.88 ; U1.D2@2500,2194.88 2519.68,2175.2 2519.68,2140.75 2824.8,1835.63 2824.8,1599.02 2874.41,1549.41 2875,1548.82 XP3.D37@2875,1550 ; 2858.48,1565.34 ccw(c2875,1581.86) 2875,1558.5 cw(c2875,1581.89) 2858.47,1565.35 ; 2861.33,1562.49 cw(c2848.84,1550) 2866.5,1550 ccw(c2848.82,1550) 2861.32,1562.5 ; 2849.94,1573.87 ccw(c2875,1598.93) 2875,1563.5 cw(c2875,1598.96) 2849.93,1573.89 ; 2852.79,1571.03 cw(c2831.75,1550) 2861.5,1550 ccw(c2831.77,1550) 2852.79,1571.03
XP3D_38: U1.F4 XP3.D38 | length 1106.7
  Mid-Layer 2 w5: v1(2440.94,2253.93) 2460.44,2234.43 2460.44,2208.28 2475.03,2193.69 2487.99,2193.69 2619.3,2062.39 2619.3,2059.27 2925,1753.56 XP3.D38@2925,1550 ; XP3.D38@2915.45,1559.54 ccw(c2892.41,1582.59) 2925,1582.59 ccw(c2957.59,1582.59) XP3.D38@2934.55,1559.54 ; XP3.D38@2915.45,1559.55 ccw(c2892.41,1582.6) 2925,1582.6 ccw(c2957.59,1582.6) XP3.D38@2934.55,1559.55 ; 2925,1570.52 cw(c2904.48,1570.52) 2918.99,1556.01 ccw(c2904.48,1570.52) 2925,1570.52 ; 2925,1570.52 ccw(c2945.52,1570.52) 2931.01,1556.01 cw(c2945.52,1570.52) 2925,1570.52
  Bottom Layer w6: U1.F4@2421.26,2273.61 v1(2440.94,2253.93)
XP4A_3: U1.J30 XP4.A3 | length 1264.1
  Mid-Layer 7 w5: v1(2322.83,3316.93) 2372.05,3366.14 2883.86,3366.14 3117.72,3600 XP4.A3@3275,3600 ; 3242.41,3600 ccw(c3242.41,3632.59) 3265.46,3609.55 cw(c3242.4,3632.59) 3242.4,3600 ; 3242.41,3600 cw(c3242.41,3567.41) 3265.46,3590.45 ccw(c3242.4,3567.41) 3242.4,3600 ; 3254.48,3600 ccw(c3254.48,3620.52) 3268.99,3606.01 cw(c3254.48,3620.52) 3254.48,3600 ; 3254.48,3600 cw(c3254.48,3579.48) 3268.99,3593.99 ccw(c3254.48,3579.48) 3254.48,3600
  Bottom Layer w6: U1.J30@2303.15,3297.24 v1(2322.83,3316.93)
XP4A_4: U1.E28 XP4.A4 | length 1137.2
  Mid-Layer 1 w5: v1(2480.32,3238.19) v1@2480.38,3238.25 ; v1@2480.44,3238.19 2500.13,3257.87 2627.95,3257.87 2874.02,3503.94 2891.75,3503.94 2960.46,3572.65 3196.67,3572.65 3219.31,3550 XP4.A4@3275,3550 ; 3242.41,3550 ccw(c3242.41,3582.59) 3265.46,3559.55 cw(c3242.4,3582.59) 3242.4,3550 ; 3242.41,3550 cw(c3242.41,3517.41) 3265.46,3540.45 ccw(c3242.4,3517.41) 3242.4,3550 ; 3254.48,3550 ccw(c3254.48,3570.52) 3268.99,3556.01 cw(c3254.48,3570.52) 3254.48,3550 ; 3254.48,3550 cw(c3254.48,3529.48) 3268.99,3543.99 ccw(c3254.48,3529.48) 3254.48,3550
  Bottom Layer w6: U1.E28@2460.63,3218.5 v1(2480.32,3238.19)
XP4A_5: U1.E30 XP4.A5 | length 1094.1
  Mid-Layer 5 w5: v1(2480.32,3316.93) 2480.32,3366.14 2529.53,3415.35 3118.13,3415.35 3202.77,3500 XP4.A5@3275,3500 ; 3242.41,3500 ccw(c3242.41,3532.59) 3265.46,3509.55 cw(c3242.4,3532.59) 3242.4,3500 ; 3242.41,3500 cw(c3242.41,3467.41) 3265.46,3490.45 ccw(c3242.4,3467.41) 3242.4,3500 ; 3254.48,3500 ccw(c3254.48,3520.52) 3268.99,3506.01 cw(c3254.48,3520.52) 3254.48,3500 ; 3254.48,3500 cw(c3254.48,3479.48) 3268.99,3493.99 ccw(c3254.48,3479.48) 3254.48,3500
  Bottom Layer w6: U1.E30@2460.63,3297.24 v1(2480.32,3316.93)
XP4A_6: U1.E26 XP4.A6 | length 1109.7
  Mid-Layer 1 w5: v1(2480.33,3159.45) 2500.06,3179.18 2746.11,3179.18 3016.93,3450 XP4.A6@3275,3450 ; 3242.41,3450 ccw(c3242.41,3482.59) 3265.46,3459.55 cw(c3242.4,3482.59) 3242.4,3450 ; 3242.41,3450 cw(c3242.41,3417.41) 3265.46,3440.45 ccw(c3242.4,3417.41) 3242.4,3450 ; 3254.48,3450 ccw(c3254.48,3470.52) 3268.99,3456.01 cw(c3254.48,3470.52) 3254.48,3450 ; 3254.48,3450 cw(c3254.48,3429.48) 3268.99,3443.99 ccw(c3254.48,3429.48) 3254.48,3450
  Bottom Layer w6: U1.E26@2460.63,3139.76 v1(2480.33,3159.45)
XP4A_7: U1.E29 XP4.A7 | length 1056.3
  Mid-Layer 7 w5: v1(2480.32,3277.56) 2499.83,3258.04 3041.5,3258.04 3183.46,3400 XP4.A7@3275,3400 ; 3242.41,3400 ccw(c3242.41,3432.59) 3265.46,3409.55 cw(c3242.4,3432.59) 3242.4,3400 ; 3242.41,3400 cw(c3242.41,3367.41) 3265.46,3390.45 ccw(c3242.4,3367.41) 3242.4,3400 ; 3254.48,3400 ccw(c3254.48,3420.52) 3268.99,3406.01 cw(c3254.48,3420.52) 3254.48,3400 ; 3254.48,3400 cw(c3254.48,3379.48) 3268.99,3393.99 ccw(c3254.48,3379.48) 3254.48,3400
  Bottom Layer w6: U1.E29@2460.63,3257.87 v1(2480.32,3277.56)